# Altium PCB PCB1.PcbDoc (part 3 of 3)
Units mil, origin at the board's own origin, x right, y up, seen from the top; angles counter-clockwise.
Board outline 3150.03 x 1875.03 mil, 2 copper layers (Top Layer, Bottom Layer); 72 components, 86 nets, 315 pads, 165 vias.
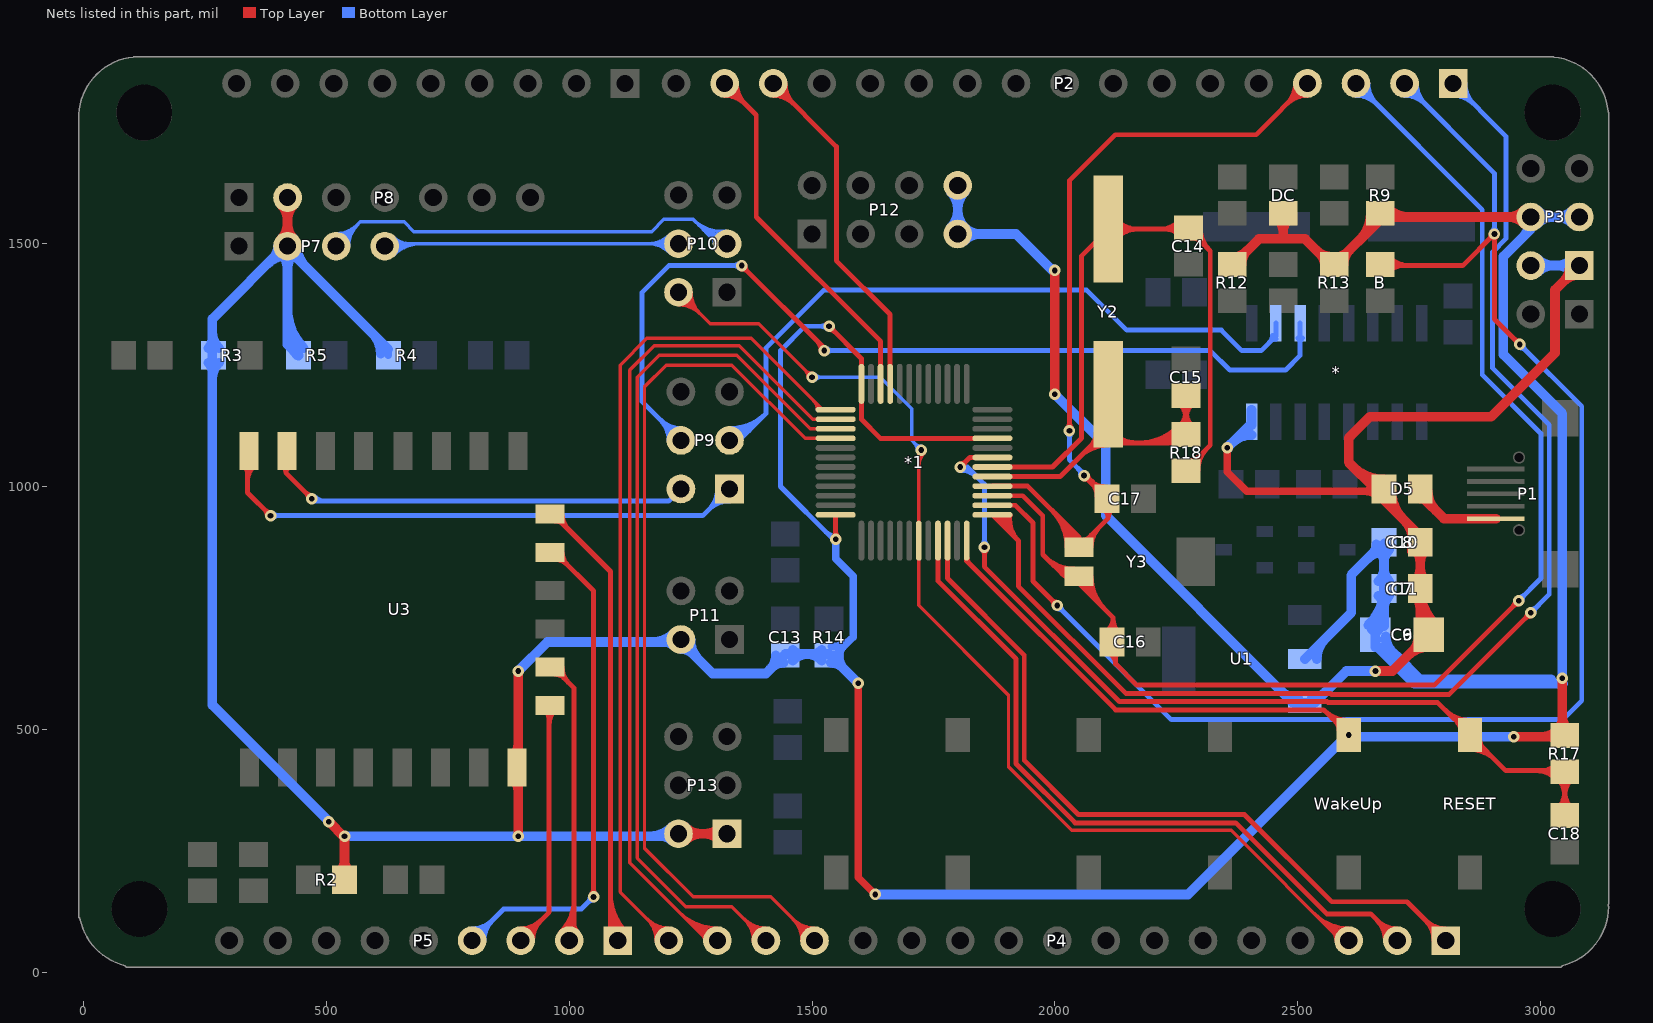
[diagram p3: the nets of this part, all layers, seen from the top]

## Via types
v1: diameter 23.62, hole 11.81, Top Layer to Bottom Layer, tented both sides, 165 vias

## Nets (pads, with @x,y where several pads share a name; then routed paths per layer and width w, separated by ;. In a path a pad name is that pad's centre, name@x,y a point inside that pad or via, vN(x,y) a via of type N, cw(c..) or ccw(c..) an arc to the next point about the centre after c; other vN are vias at no path point) (continued)
PB7: *1.43 P4.3 P10.2 | length 2815.2
  Top Layer w7: P10.2@1225,1373.97 cw(c1225,1311.14) 1269.43,1355.57 cw(c1313.86,1400) P10.2@1251.03,1400 ; P10.2@1225,1380.97 cw(c1225,1335.04) 1257.48,1367.52 cw(c1289.96,1400) P10.2@1244.03,1400 ; P10.2@1225,1400 1290,1335 1390,1335 v1(1500,1225) ; v1@1491.69,1225 ccw(c1471.62,1225) 1485.81,1239.19 ccw(c1500,1253.38) v1@1500,1233.31 ; 1720,1042.86 cw(c1757.14,1042.86) v1@1730.88,1069.12 ; 1720,1059.76 cw(c1740.24,1059.76) v1@1725.93,1074.07 ; v1(1725,1075) 1720,1070 1720,945.32 1719.84,945.16 *1.43@1719.84,888.58 1719.84,755.16 1904.5,570.5 1904.5,422.62 2035.12,292 2363,292 2590,65 P4.3@2605,65 ; 2534.96,120.04 ccw(c2605,190.08) P4.3@2605,91.03 ; 2546.91,108.09 ccw(c2605,166.18) P4.3@2605,84.03 ; 2558.86,96.14 ccw(c2605,142.28) P4.3@2605,77.03 ; 2570.81,84.19 ccw(c2605,118.38) P4.3@2605,70.03 ; 2571.17,83.83 cw(c2552.35,65) P4.3@2578.97,65
  Bottom Layer w7: v1(1500,1225) 1640,1225 1705,1160 1705,1095 v1(1725,1075) ; v1@1505.88,1219.12 cw(c1520.06,1204.94) 1520.06,1225 cw(c1520.06,1245.06) v1@1505.88,1230.88 ; v1@1716.69,1075 ccw(c1696.62,1075) 1710.81,1089.19 ccw(c1725,1103.38) v1@1725,1083.31
PB8: *1.45 P4.2 | length 1610
  Top Layer w10: *1.45@1759.21,888.58 1759.21,805.79 1920,645 1920,429.04 2041.54,307.5 2372.5,307.5 2560,120 2650,120 P4.2@2705,65 ; P4.2@2680.47,65 ccw(c2621.26,65) 2663.13,106.87 ccw(c2705,148.74) P4.2@2705,89.53 ; P4.2@2690.47,65 ccw(c2655.4,65) 2680.2,89.8 ccw(c2705,114.6) P4.2@2705,79.53
PB9: *1.46 P4.1 | length 1687.8
  Top Layer w10: *1.46@1778.9,888.58 1778.9,811.1 1937,653 1937,436.08 2048.58,324.5 2390.5,324.5 2570,145 2725,145 P4.1@2805,65 ; P4.1@2780.47,65 ccw(c2721.26,65) 2763.13,106.87 ccw(c2805,148.74) P4.1@2805,89.53 ; P4.1@2790.47,65 ccw(c2755.4,65) 2780.2,89.8 ccw(c2805,114.6) P4.1@2805,79.53
PB10: *1.21 P2.15 | length 866.4
  Top Layer w10: P2.15@1420,1805.47 cw(c1420,1746.26) 1461.87,1788.13 cw(c1503.74,1830) P2.15@1444.53,1830 ; P2.15@1420,1815.47 cw(c1420,1780.4) 1444.8,1805.2 cw(c1469.6,1830) P2.15@1434.53,1830 ; P2.15@1420,1830 1550,1700 1550,1465 1660.79,1354.21 *1.21@1660.79,1211.42
PB11: *1.22 P2.16 | length 899.7
  Top Layer w10: P2.16@1320,1805.47 cw(c1320,1746.26) 1361.87,1788.13 cw(c1403.74,1830) P2.16@1344.53,1830 ; P2.16@1320,1815.47 cw(c1320,1780.4) 1344.8,1805.2 cw(c1369.6,1830) P2.16@1334.53,1830 ; P2.16@1320,1830 1385,1765 1385,1555 1641.1,1298.9 *1.22@1641.1,1211.42
PB12: *1.25 P4.17 | length 1952.8
  Top Layer w7: P4.17@1178.97,65 ccw(c1116.14,65) 1160.57,109.43 ccw(c1205,153.86) P4.17@1205,91.03 ; P4.17@1185.97,65 ccw(c1140.04,65) 1172.52,97.48 ccw(c1205,129.96) P4.17@1205,84.03 ; P4.17@1205,65 1105,165 1105,1250 1160,1305 1375,1305 1521.73,1158.27 *1.25@1548.58,1158.27 ; 1502.97,1177.03 cw(c1484.22,1158.27) *1.25@1510.74,1158.27 ; 1514.92,1165.08 cw(c1508.12,1158.27) *1.25@1517.74,1158.27
PB13: *1.26 P4.16 | length 2083.4
  Top Layer w7: 1226.43,123.57 ccw(c1305,202.15) P4.16@1305,91.03 ; 1238.38,111.62 ccw(c1305,178.25) P4.16@1305,84.03 ; 1250.33,99.67 ccw(c1305,154.35) P4.16@1305,77.03 ; 1262.28,87.72 ccw(c1305,130.45) P4.16@1305,70.03 ; 1274.23,75.77 ccw(c1305,106.55) P4.16@1305,63.03 ; 1274.71,75.29 cw(c1264.42,65) P4.16@1278.97,65 ; P4.16@1305,65 1285,65 1125,225 1125,1240 1175,1290 1350,1290 1501.42,1138.58 *1.26@1548.58,1138.58
PB14: *1.27 P4.15 | length 1986.1
  Top Layer w7: P4.15@1378.97,65 ccw(c1316.14,65) 1360.57,109.43 ccw(c1405,153.86) P4.15@1405,91.03 ; P4.15@1385.97,65 ccw(c1340.04,65) 1372.52,97.48 ccw(c1405,129.96) P4.15@1405,84.03 ; P4.15@1405,65 1335,135 1240,135 1140,235 1140,1225 1185,1270 1345,1270 1496.1,1118.9 *1.27@1548.58,1118.9
PB15: *1.28 P4.14 | length 2024.2
  Top Layer w7: P4.14@1478.97,65 ccw(c1416.14,65) 1460.57,109.43 ccw(c1505,153.86) P4.14@1505,91.03 ; P4.14@1485.97,65 ccw(c1440.04,65) 1472.52,97.48 ccw(c1505,129.96) P4.14@1505,84.03 ; P4.14@1505,65 1415,155 1255,155 1155,255 1155,1205 1200,1250 1335,1250 1485.79,1099.21 *1.28@1548.58,1099.21
PC13: *1.2 B.2 P2.2 | length 3610.5
  Top Layer w10: *1.2@1871.42,961.42 1918.58,961.42 1955,925 1955,805 v1(2005,755) ; v1@1998.19,755 ccw(c1981.75,755) 1993.37,766.63 ccw(c2005,778.25) v1@2005,761.81 ; B.2@2660,1455 2840,1455 v1(2905,1520) 2905,1345 v1(2957.5,1292.5) ; B.2@2681.43,1464.89 ccw(c2705.3,1488.77) 2705.3,1455 ; B.2@2688.5,1442.84 cw(c2717.85,1413.49) 2717.85,1455 ; B.2@2688.5,1471.96 ccw(c2729.44,1512.91) 2729.44,1455 ; v1@2898.19,1520 cw(c2881.75,1520) 2893.37,1508.37 cw(c2905,1496.75) v1@2905,1513.19 ; v1@2900.18,1515.18 cw(c2888.56,1503.56) 2905,1503.56 cw(c2921.44,1503.56) v1@2909.82,1515.18 ; v1@2950.69,1292.5 ccw(c2934.25,1292.5) 2945.87,1304.13 ccw(c2957.5,1315.75) v1@2957.5,1299.31
  Bottom Layer w10: v1@2005,748.19 cw(c2005,731.75) 2016.63,743.37 cw(c2028.25,755) v1@2011.81,755 ; v1(2005,755) 2240,520 3046,520 3085,559 3085,1165 v1(2957.5,1292.5) ; P2.2@2720,1805.47 cw(c2720,1746.26) 2761.87,1788.13 cw(c2803.74,1830) P2.2@2744.53,1830 ; P2.2@2720,1815.47 cw(c2720,1780.4) 2744.8,1805.2 cw(c2769.6,1830) P2.2@2734.53,1830 ; P2.2@2720,1830 2905,1645 v1(2905,1520) ; v1@2900.18,1524.82 ccw(c2888.56,1536.44) 2905,1536.44 ccw(c2921.44,1536.44) v1@2909.82,1524.82 ; v1@2957.5,1285.69 cw(c2957.5,1269.25) 2969.13,1280.87 cw(c2980.75,1292.5) v1@2964.31,1292.5
PC14: *1.3 C16.2 P2.3 Y3.1 | length 3373.9
  Top Layer w10: *1.3@1871.42,981.1 1933.9,981.1 1975,940 1975,860 2015,820 ; 1980.25,854.75 ccw(c2040,914.5) Y3.1@2040,830 ; 1997.32,837.68 ccw(c2040,880.36) Y3.1@2040,820 ; 2014.39,820.61 ccw(c2040,846.21) Y3.1@2040,810 ; 2015.86,820 ccw(c2015.86,839.14) Y3.1@2029.39,825.61 ; Y3.1@2025.37,811.71 ccw(c2015,809.38) 2015,820 ; Y3.1@2050,815 2050,800 2117.5,732.5 ; Y3.1@2055,815 ccw(c2103.28,815) 2069.14,780.86 ; Y3.1@2060,820 2015,820 ; Y3.1@2065,815 ccw(c2137.43,815) 2086.21,763.79 ; Y3.1@2075,815 ccw(c2171.57,815) 2103.28,746.72 ; C16.2@2105.22,700.39 ccw(c2082.96,730) 2120,730 C16.2@2120,680 ; C16.2@2109.79,657.01 cw(c2100.5,634.34) 2125,634.34 ; C16.2@2111.23,692.4 ccw(c2098.02,709.96) 2120,709.96 ; C16.2@2113.58,666.26 cw(c2106.61,649.24) 2125,649.24 ; 2120,727.85 ccw(c2161.51,727.85) C16.2@2132.16,698.5 ; 2125,644.22 cw(c2149.44,644.22) C16.2@2132.16,661.5 ; C16.2@2125,685 2125,635 2169,591 2781,591 v1(2955,765) ; v1@2948.19,765 cw(c2931.75,765) 2943.37,753.37 cw(c2955,741.75) v1@2955,758.19
  Bottom Layer w10: P2.3@2620,1805.47 cw(c2620,1746.26) 2661.87,1788.13 cw(c2703.74,1830) P2.3@2644.53,1830 ; P2.3@2620,1815.47 cw(c2620,1780.4) 2644.8,1805.2 cw(c2669.6,1830) P2.3@2634.53,1830 ; P2.3@2620,1830 2880,1570 2880,1230 3001,1109 3001,811 v1(2955,765) ; v1@2955,771.81 ccw(c2955,788.25) 2966.63,776.63 ccw(c2978.25,765) v1@2961.81,765
PC15: *1.4 C17.2 P2.4 Y3.2 | length 2359.6
  Top Layer w10: *1.4@1871.42,1000.79 1944.21,1000.79 2050,895 Y3.2@2050,875 2110,935 C17.2@2110,975 ; 1993.18,951.82 cw(c1916.36,875) Y3.2@2025,875 ; 2010.25,934.75 cw(c1950.5,875) Y3.2@2035,875 ; v1@2025.18,1119.82 ccw(c2013.56,1131.44) 2030,1131.44 ccw(c2046.44,1131.44) v1@2034.82,1119.82 ; 2027.32,917.68 cw(c1984.64,875) Y3.2@2045,875 ; v1(2030,1115) 2030,1630 2124.5,1724.5 2414.5,1724.5 P2.4@2520,1830 ; 2044.39,900.61 cw(c2018.79,875) Y3.2@2055,875 ; Y3.2@2060,890 ccw(c2060,902.07) Y3.2@2068.54,893.54 ; v1@2060,1015.79 cw(c2060,999.34) 2071.63,1010.97 cw(c2083.25,1022.6) v1@2066.81,1022.6 ; v1(2060,1022.6) C17.2@2107.6,975 ; Y3.2@2065,875 cw(c2101.21,875) 2075.61,900.61 ; v1@2065.73,1016.87 ccw(c2107.6,1058.74) C17.2@2107.6,999.53 ; v1@2066.58,1024.36 ccw(c2089.38,1030.47) 2077.57,1010.03 ; Y3.2@2075,875 cw(c2135.36,875) 2092.68,917.68 ; 2075.23,1007.37 cw(c2046.8,978.94) C17.2@2087.01,978.94 ; C17.2@2082.8,999.8 ccw(c2107.6,1024.6) C17.2@2107.6,989.53 ; C17.2@2098.87,952.41 cw(c2090.69,934.92) 2110,934.92 cw(c2134.41,934.92) C17.2@2119.87,954.53 ; P2.4@2495.47,1830 cw(c2436.26,1830) 2478.13,1788.13 cw(c2520,1746.26) P2.4@2520,1805.47 ; P2.4@2505.47,1830 cw(c2470.4,1830) 2495.2,1805.2 cw(c2520,1780.4) P2.4@2520,1815.47
  Bottom Layer w10: v1@2025.18,1110.18 cw(c2013.56,1098.56) 2030,1098.56 cw(c2046.44,1098.56) v1@2034.82,1110.18 ; v1(2030,1115) 2030,1055 v1@2061.2,1023.8 ; 2046.67,1038.33 cw(c2030.95,1022.6) v1@2053.19,1022.6 ; 2052.47,1032.53 ccw(c2060,1040.05) v1@2060,1029.41
PD0/OSCIN: *1.5 C15.2 R18.2 Y2.2 | length 1290.3
  Top Layer w10: *1.5@1871.42,1020.47 2010.47,1020.47 2099.7,1109.7 Y2.2@2099.7,1174.7 ; 2050.25,1060.25 cw(c2110,1000.5) Y2.2@2110,1085 ; 2067.32,1077.32 cw(c2110,1034.64) Y2.2@2110,1095 ; 2074.39,1084.39 ccw(c2048.79,1110) Y2.2@2085,1110 ; Y2.2@2092.5,1167.5 Y2.2@2099.7,1174.7 ; Y2.2@2099.7,1175 Y2.2@2099.7,1174.7 ; Y2.2@2106.46,1106.46 ccw(c2146.21,1146.21) 2146.21,1090 ; Y2.2@2110,1150 2110,1115 2135,1090 2270,1090 R18.2@2270,1107.4 C15.2@2270,1185 ; Y2.2@2110,1185 Y2.2@2099.7,1174.7 ; Y2.2@2113.54,1113.54 ccw(c2170.36,1170.36) 2170.36,1090 ; 2174.34,1090 ccw(c2174.34,1199.12) R18.2@2251.5,1121.96 ; 2198.48,1090 ccw(c2198.48,1174.98) R18.2@2258.57,1114.89 ; 2222.63,1090 ccw(c2222.63,1150.84) R18.2@2265.65,1107.82 ; R18.2@2246.77,1090 ccw(c2246.77,1126.7) R18.2@2272.72,1100.75 ; R18.2@2255.44,1121.96 ccw(c2220.29,1157.11) 2270,1157.11 ccw(c2319.71,1157.11) R18.2@2284.56,1121.96 ; C15.2@2255.44,1173.04 cw(c2220.29,1137.89) 2270,1137.89 cw(c2319.71,1137.89) C15.2@2284.56,1173.04
PD1/OSCOUT: *1.6 C14.2 R18.1 Y2.1 | length 1837.2
  Top Layer w10: *1.6@1871.42,1040.16 1995.16,1040.16 2055,1100 2055,1475 Y2.1@2110,1530 2275,1530 2320,1485 2320,1085 R18.1@2270,1035 ; Y2.1@2120.61,1519.39 cw(c2146.21,1493.79) 2146.21,1530 cw(c2146.21,1566.21) Y2.1@2120.61,1540.61 ; Y2.1@2127.68,1512.32 cw(c2170.36,1469.64) 2170.36,1530 cw(c2170.36,1590.36) Y2.1@2127.68,1547.68 ; 2215.56,1530 ccw(c2215.56,1587.91) C14.2@2256.5,1546.96 ; 2227.15,1530 cw(c2227.15,1488.49) C14.2@2256.5,1517.84 ; 2239.7,1530 ccw(c2239.7,1563.77) C14.2@2263.57,1539.89 ; R18.1@2273.94,1053.19 ccw(c2273.94,1087.6) 2298.27,1063.27 ; C14.2@2278.94,1511.81 cw(c2278.94,1477.4) 2303.27,1501.73 ; R18.1@2284.53,1032.6 cw(c2325.4,1032.6) 2296.5,1061.5 ; C14.2@2289.53,1532.4 ccw(c2330.4,1532.4) 2301.5,1503.5 ; R18.1@2294.53,1032.6 cw(c2359.54,1032.6) 2313.57,1078.57 ; C14.2@2299.53,1532.4 ccw(c2364.54,1532.4) 2318.57,1486.43
RESET: *1.7 C18.2 R17.2 RESET.1 | length 2425
  Top Layer w10: v1(1805,1040) 1824.84,1059.84 *1.7@1871.42,1059.84 ; v1@1805,1046.81 ccw(c1805,1063.25) 1816.63,1051.63 ccw(c1828.25,1040) v1@1811.81,1040 ; v1@1850.18,870.18 cw(c1838.56,858.56) 1855,858.56 cw(c1871.44,858.56) v1@1859.82,870.18 ; v1(1855,875) 1855,835 2133,557 2560.51,557 2562.51,555 2788.46,555 RESET.1@2855,488.46 2928.46,415 3050,415 C18.2@3050,320 ; 2803.79,539.68 ccw(c2855,590.89) RESET.1@2855,518.46 ; 2820.86,522.61 ccw(c2855,556.75) RESET.1@2855,508.46 ; 2827.93,515.54 cw(c2810.86,498.46) RESET.1@2835,498.46 ; RESET.1@2855,458.46 cw(c2855,386.04) 2906.21,437.25 ; RESET.1@2855,468.46 cw(c2855,420.18) 2889.14,454.32 ; RESET.1@2875,478.46 ccw(c2899.14,478.46) 2882.07,461.39 ; 2990.56,415 cw(c2990.56,357.09) R17.2@3031.5,398.04 ; 3002.15,415 ccw(c3002.15,456.51) R17.2@3031.5,427.16 ; 3014.7,415 cw(c3014.7,381.23) R17.2@3038.57,405.11 ; C18.2@3035.44,336.96 ccw(c3000.29,372.11) 3050,372.11 ccw(c3099.71,372.11) C18.2@3064.56,336.96 ; R17.2@3035.44,398.04 cw(c3000.29,362.89) 3050,362.89 cw(c3099.71,362.89) R17.2@3064.56,398.04
  Bottom Layer w10: v1@1805,1033.19 cw(c1805,980.53) 1842.23,1017.77 ; v1(1805,1040) 1820,1040 ; v1@1805,1043.19 cw(c1805,1014.67) 1825.16,1034.84 ; v1@1810.13,1035.52 cw(c1820,1026.89) 1820,1040 ; v1@1810.13,1044.48 ccw(c1820,1053.11) 1820,1040 ; v1@1850.18,879.82 ccw(c1838.56,891.44) 1855,891.44 ccw(c1871.44,891.44) v1@1859.82,879.82 ; v1(1855,875) 1855,1005 1820,1040
RXD0: P9.2 U3.21 | length 948.2
  Top Layer w10: U3.21@409.96,1041.49 cw(c400.13,1028.4) 416.5,1028.4 cw(c428.49,1028.4) U3.21@424.12,1039.56 ; U3.21@416.5,1049 416.5,1028.5 v1(470,975) ; v1@463.19,975 ccw(c446.75,975) 458.37,986.63 ccw(c470,998.25) v1@470,981.81
  Bottom Layer w10: v1@470,970 1205,970 P9.2@1230,995 ; v1@474.82,979.82 ccw(c498.51,1003.51) 498.51,970
RXD_U: *.3 P9.4 | length 2152
  Top Layer w10: v1@1355,1448.19 cw(c1355,1431.75) 1366.63,1443.37 cw(c1378.25,1455) v1@1361.81,1455 ; v1(1355,1455) v1@1522.5,1287.5 ; 1509.84,1300.16 cw(c1489.67,1280) v1@1518.19,1280
  Bottom Layer w10: P9.4@1205.47,1095 ccw(c1146.26,1095) 1188.13,1136.87 ccw(c1230,1178.74) P9.4@1230,1119.53 ; P9.4@1215.47,1095 ccw(c1180.4,1095) 1205.2,1119.8 ccw(c1230,1144.6) P9.4@1230,1109.53 ; P9.4@1230,1095 1150,1175 1150,1400 1205,1455 v1(1355,1455) ; v1@1350.18,1450.18 ccw(c1338.56,1438.56) 1338.56,1455 ccw(c1338.56,1471.44) v1@1350.18,1459.82 ; v1(1525,1280) 2320,1280 2360,1240 2475,1240 2505,1270 *.3@2505,1336.38 ; v1@1529.82,1275.18 cw(c1541.44,1263.56) 1541.44,1280 cw(c1541.44,1296.44) v1@1529.82,1284.82 ; *.3@2500.18,1305.97 cw(c2488.56,1294.34) 2505,1294.34 cw(c2521.44,1294.34) *.3@2509.82,1305.97
SCL: P7.3 P10.3 | length 1279
  Bottom Layer w7: P7.3@520,1495 570,1545 660,1545 680,1525 1170,1525 1195,1550 1255,1550 ; P7.3@520,1514.03 ccw(c520,1559.96) 552.48,1527.48 ccw(c584.96,1495) P7.3@539.03,1495 ; P7.3@520,1521.03 ccw(c520,1583.86) 564.43,1539.43 ccw(c608.86,1495) P7.3@546.03,1495 ; 1265.46,1539.54 ccw(c1316.05,1590.14) P10.3@1323.12,1518.93 ; 1275.91,1529.09 ccw(c1317.94,1571.12) P10.3@1323.81,1511.97 ; 1286.37,1518.63 ccw(c1319.83,1552.09) P10.3@1324.5,1505 ; 1294.71,1510.29 cw(c1284.42,1500) P10.3@1298.97,1500 ; P10.3@1322.43,1525.9 cw(c1314.17,1609.16) 1255,1550 ; P10.3@1325,1500 1305,1500 1255,1550
SDA: P7.4 P10.4 | length 985
  Bottom Layer w7: P7.4@620,1495 625,1500 P10.4@1225,1500 ; P7.4@628.5,1486.5 cw(c661.11,1453.89) 661.11,1500 ; P7.4@633.45,1481.55 cw(c678.01,1436.99) 678.01,1500 ; P7.4@633.45,1508.45 ccw(c653.87,1528.87) 653.87,1500 ; P7.4@638.4,1476.6 cw(c694.91,1420.09) 694.91,1500 ; P7.4@638.4,1513.4 ccw(c670.76,1545.76) 670.76,1500 ; P10.4@1206.6,1481.6 ccw(c1162.16,1437.16) 1162.16,1500 ccw(c1162.16,1562.84) P10.4@1206.6,1518.4 ; P10.4@1211.55,1486.55 ccw(c1179.06,1454.06) 1179.06,1500 ccw(c1179.06,1545.94) P10.4@1211.55,1513.45
SPI_CLK: P5.1 U3.14 | length 1198.2
  Top Layer w10: U3.14@958.5,937.3 972.7,937.3 1085,825 1085,80 P5.1@1100,65 ; U3.14@970.82,929.12 cw(c970.82,904.82) 988,922 ; U3.14@985.5,943.8 ccw(c1032.1,943.8) 999.15,910.85 ; 1085,112.14 ccw(c1147.14,112.14) P5.1@1103.2,68.2 ; 1085,136.29 ccw(c1171.29,136.29) P5.1@1110.27,75.27 ; 1085,160.43 ccw(c1195.43,160.43) P5.1@1117.34,82.34
SPI_INT: P5.4 U3.13 | length 1294.4
  Top Layer w10: U3.13@958.5,857.8 977.2,857.8 1050,785 v1(1050,155) ; U3.13@970.82,849.62 cw(c970.82,814.45) 995.68,839.32 ; U3.13@985.5,864.3 ccw(c1021.24,864.3) 995.97,839.03 ; v1@1045.18,159.82 ccw(c1033.56,171.44) 1050,171.44 ccw(c1066.44,171.44) v1@1054.82,159.82
  Bottom Layer w10: P5.4@800,65 865,130 1025,130 v1(1050,155) ; P5.4@800,79.53 ccw(c800,114.6) 824.8,89.8 ccw(c849.6,65) P5.4@814.53,65 ; P5.4@800,89.53 ccw(c800,148.74) 841.87,106.87 ccw(c883.74,65) P5.4@824.53,65 ; v1@1043.19,155 cw(c1026.75,155) 1038.37,143.37 cw(c1050,131.75) v1@1050,148.19
SPI_MISO: P5.2 U3.10 | length 829.3
  Top Layer w10: U3.10@958.5,621.7 973.3,621.7 1010,585 1010,75 P5.2@1000,65 ; U3.10@970.82,613.52 cw(c970.82,587.76) 989.03,605.97 ; P5.2@982.66,82.34 ccw(c916.64,148.36) 1010,148.36 ; U3.10@985.5,628.2 ccw(c1030.65,628.2) 998.72,596.28 ; P5.2@989.73,75.27 ccw(c940.79,124.21) 1010,124.21 ; P5.2@996.8,68.2 ccw(c964.93,100.07) 1010,100.07 ccw(c1035.07,100.07) P5.2@1017.34,82.34
SPI_MOSI: P5.3 U3.9 | length 713.4
  Top Layer w10: P5.3@900,65 958.5,123.5 958.5,547.5 U3.9@960.5,549.5 ; P5.3@900,79.53 ccw(c900,114.6) 924.8,89.8 ccw(c949.6,65) P5.3@914.53,65 ; P5.3@900,89.53 ccw(c900,148.74) 941.87,106.87 ccw(c983.74,65) P5.3@924.53,65 ; U3.9@950.12,539.12 cw(c929.88,518.88) 958.5,518.88 ; 958.5,509.22 cw(c1000.78,509.22) U3.9@970.88,539.12
TXD0: P9.1 U3.22 | length 1351.9
  Top Layer w10: U3.22@330.44,1042.85 cw(c313.38,1025.8) 337.5,1025.8 ; 337.5,1009.77 cw(c384.28,1009.77) U3.22@351.2,1042.85 ; U3.22@337.5,1049 337.5,987.5 v1(385,940) ; v1@378.19,940 ccw(c361.75,940) 373.37,951.63 ccw(c385,963.25) v1@385,946.81
  Bottom Layer w10: v1(385,940) 1275,940 P9.1@1330,995 ; v1@389.82,935.18 cw(c401.44,923.56) 401.44,940 cw(c401.44,956.44) v1@389.82,944.82 ; P9.1@1305.47,995 cw(c1246.26,995) 1288.13,953.13 cw(c1330,911.26) P9.1@1330,970.47 ; P9.1@1315.47,995 cw(c1280.4,995) 1305.2,970.2 cw(c1330,945.4) P9.1@1330,980.47
TXD_U: *.2 P9.3 | length 1642
  Bottom Layer w10: P9.3@1330,1095 1350,1095 1405,1150 ; P9.3@1330.05,1099.53 ccw(c1330.68,1157.08) 1371.38,1116.38 ; P9.3@1330.16,1109.53 ccw(c1331.05,1190.33) 1388.19,1133.19 ; P9.3@1330.27,1119.53 ccw(c1331.42,1223.58) 1405,1150 ; 2442.82,1297.82 ccw(c2429.84,1310.79) *.2@2448.19,1310.79 ; *.2@2444.72,1299.72 cw(c2455,1289.43) *.2@2455,1303.98 ; *.2@2455,1336.38 2455,1310 2425,1280 2385,1280 2343,1322 2148,1322 2065,1405 1525,1405 1405,1285 1405,1150
VBAT: *1.1 P2.1 | length 2937.9
  Top Layer w10: *1.1@1871.42,941.73 1925,888.15 ; *1.1@1878.22,939.66 ccw(c1897.25,943.29) 1883.55,929.6 ; *1.1@1887.58,940.04 ccw(c1921.02,939.43) 1897.37,915.78 ; *1.1@1897.45,939.78 ccw(c1944.8,935.58) 1911.18,901.97 ; *1.1@1907.74,941.59 ccw(c1968.57,931.72) 1925,888.15 ; v1@2973.19,740 cw(c2956.75,740) 2968.37,728.37 cw(c2980,716.75) v1@2980,733.19 ; v1(2980,740) 2812,572 2569.55,572 2567.55,574 2146,574 1925,795 1925,888.15
  Bottom Layer w10: P2.1@2820,1805.47 cw(c2820,1746.26) 2861.87,1788.13 cw(c2903.74,1830) P2.1@2844.53,1830 ; P2.1@2820,1815.47 cw(c2820,1780.4) 2844.8,1805.2 cw(c2869.6,1830) P2.1@2834.53,1830 ; P2.1@2820,1830 2928.81,1721.19 2928.81,1510.14 2901.47,1482.8 2901.47,1243.53 3018,1127 3018,778 v1@2977.5,737.5 ; v1@2980,746.81 ccw(c2980,763.25) 2991.63,751.63 ccw(c3003.25,740) v1@2986.81,740
VCC_3V3: *1.9 *1.24 *1.36 *1.48 C9.1 C10.1 C11.1 C13.2 DC.1 P3.3 P3.4 P7.2 P8.2 P11.2 P13.1 P13.2 R2.1 R3.1 R4.1 R5.1 R9.2 R12.1 R13.1 R14.1 R17.1 U1.2 U3.8 WakeUp.1 | length 14812.5
  Top Layer w10: v1@1530,1335 v1(1535,1330) 1601.73,1263.27 *1.24@1601.73,1211.42 1601.92,1211.23 1601.92,1138.08 1640.79,1099.21 *1.9@1871.42,1099.21 ; v1@1535,1323.19 cw(c1535,1306.75) 1546.63,1318.37 cw(c1558.25,1330) v1@1541.81,1330 ; v1@1543.77,896.23 ccw(c1532.14,907.86) 1548.58,907.86 ccw(c1565.03,907.86) v1@1553.4,896.23 ; v1(1548.58,891.42) *1.36@1548.58,941.73 ; *1.48@1818.27,888.58 1818.27,846.73 2125,540 2553.46,540 v1(2605,488.46) ; *1.48@1819.17,853.15 ccw(c1836.85,853.15) 1824.35,840.65 ; 2553.79,539.68 ccw(c2605,590.89) WakeUp.1@2605,518.46 ; 2570.86,522.61 ccw(c2605,556.75) WakeUp.1@2605,508.46 ; 2577.93,515.54 cw(c2560.86,498.46) WakeUp.1@2585,498.46 ; WakeUp.1@2598.19,488.46 ccw(c2581.75,488.46) 2593.37,500.09 ccw(c2605,511.72) WakeUp.1@2605,495.28
  Top Layer w15: v1(1595,595) 1595,195 v1(1630,160)
  Top Layer w20: P7.2@406.19,1508.81 ccw(c372.86,1542.14) 420,1542.14 ccw(c467.14,1542.14) P7.2@433.81,1508.81 ; P8.2@406.19,1581.19 cw(c372.86,1547.86) 420,1547.86 cw(c467.14,1547.86) P8.2@433.81,1581.19 ; P7.2@420,1495 P8.2@420,1595 ; v1(505,310) v1@537.4,277.6 ; R2.1@526.38,204.96 ccw(c499.76,231.58) 537.4,231.58 ccw(c575.04,231.58) R2.1@548.43,204.96 ; R2.1@537.4,190 v1@537.4,277.6 ; v1(537.4,280) v1@537.4,277.6 ; U3.8@885.94,394.97 cw(c864.06,373.09) 895,373.09 ; U3.8@885.94,448.03 ccw(c864.06,469.91) 895,469.91 ; v1(895,280) v1(895,620) ; P13.2@1225,285 P13.1@1325,285 ; P13.2@1238.81,271.19 cw(c1272.14,237.86) 1272.14,285 cw(c1272.14,332.14) P13.2@1238.81,298.81 ; P13.1@1311.19,271.19 ccw(c1277.86,237.86) 1277.86,285 ccw(c1277.86,332.14) P13.1@1311.19,298.81 ; R12.1@2365,1455 2420,1510 2470,1510 ; R12.1@2368.94,1472.99 ccw(c2368.94,1506.92) R12.1@2392.93,1482.93 ; R12.1@2384.53,1457.4 cw(c2425.87,1457.4) 2396.64,1486.64 ; DC.1@2458.98,1551.57 cw(c2432.36,1524.96) 2470,1524.96 cw(c2507.64,1524.96) DC.1@2481.02,1551.57 ; DC.1@2470,1565 DC.1@2470,1562.6 2470,1510 ; 2538.53,1486.47 ccw(c2571.06,1518.99) R13.1@2571.06,1472.99 ; R13.1@2546.9,1478.1 cw(c2526.2,1457.4) R13.1@2555.47,1457.4 ; R13.1@2578.94,1472.99 ccw(c2578.94,1506.92) R13.1@2602.93,1482.93 ; R13.1@2594.53,1457.4 cw(c2635.87,1457.4) 2606.64,1486.64 ; 2627.76,1507.76 ccw(c2572.91,1562.6) R9.2@2650.47,1562.6 ; R9.2@2670,1562.6 R9.2@2670,1555 ; R9.2@2684.96,1573.62 ccw(c2729.92,1618.58) 2729.92,1555 ; v1(2945,485) 3050,485 3049.06,485.45 3045,487.4 v1(3045,605) ; P3.4@2966.19,1541.19 ccw(c2932.86,1507.86) 2932.86,1555 ccw(c2932.86,1602.14) P3.4@2966.19,1568.81 ; P3.4@2990,1545 P3.4@2980,1555 R9.2@2670,1555 ; 3002.63,485 ccw(c3002.63,530.84) 3035.04,498.43 ccw(c3010.99,522.47) 3045,522.47 ; 3014.22,485 cw(c3014.22,455.56) R17.1@3035.04,476.38 ; 3045,527.61 ccw(c3086.27,527.61) R17.1@3057.09,498.43 ; 2470,1510 2515,1510 2570,1455 2575,1455 2670,1550 R9.2@2670,1555
  Bottom Layer w10: v1@1525,1330 1485,1330 1435,1280 1435,1000 1543.58,891.42 v1(1548.58,891.42) ; 1528.42,906.58 ccw(c1548.58,926.74) v1@1548.58,898.23 ; v1@1530.18,1325.18 ccw(c1518.56,1313.56) 1518.56,1330 ccw(c1518.56,1346.44) v1@1530.18,1334.82
  Bottom Layer w15: P7.2@413.4,1473.98 cw(c410.59,1465) 420,1465 ; P7.2@420,1500 P7.2@420,1495 420,1485 420,1465 ; P7.2@426.6,1473.98 ccw(c429.41,1465) 420,1465 ; R4.1@627.6,1270 R4.1@627.6,1282.4 ; P11.2@1230,680 P11.2@1230,685 ; R14.1@1535,655 1550,655 1585,690 1585,815 1548.58,851.42 v1(1548.58,891.42) ; R14.1@1538.94,670.69 ccw(c1538.94,735.27) 1584.61,689.61 ; R14.1@1557.03,652.6 cw(c1579.79,652.6) R14.1@1563.69,668.69 ; v1(2605,488.46) v1@2608.46,485 ; v1@2608.05,491.51 ccw(c2623.77,507.24) 2623.77,485 ; C9.1@2649.88,705 C9.1@2659.88,695 C9.1@2677.6,712.72 ; C10.1@2662.6,870 C10.1@2677.6,885 C10.1@2682.6,880 ; C9.1@2675,685 C9.1@2682.6,685
  Bottom Layer w20: R3.1@256.57,1255.04 cw(c236.23,1234.7) 265,1234.7 ; R3.1@256.57,1284.96 ccw(c236.23,1305.3) 265,1305.3 ; 265,1222.15 cw(c311.51,1222.15) R3.1@278.62,1255.04 ; 265,1317.85 ccw(c311.51,1317.85) R3.1@278.62,1284.96 ; 378.13,1458.13 cw(c420,1416.26) 420,1475.47 cw(c420,1440.4) 444.8,1465.2 ; 390.2,1470.2 ccw(c365.4,1495) P7.2@400.47,1495 ; P7.2@406.19,1481.19 cw(c372.86,1447.86) 420,1447.86 cw(c467.14,1447.86) P7.2@433.81,1481.19 ; P7.2@412.1,1477.14 cw(c406.72,1465) 420,1465 ; 420,1317.85 ccw(c486.51,1317.85) R5.1@439.48,1270.82 ; 420,1366.13 ccw(c534.79,1366.13) R5.1@453.62,1284.96 ; P7.2@420,1485 P7.2@425,1490 ; P7.2@420,1495 P7.2@425,1490 ; P7.2@420,1500 265,1345 265,550 v1(505,310) ; P7.2@427.9,1477.14 ccw(c433.28,1465) 420,1465 ; P7.2@439.53,1495 ccw(c498.74,1495) 456.87,1453.13 ; R5.1@442.6,1270 420,1292.6 420,1465 ; v1(537.4,280) v1(895,280) 1220,280 P13.2@1225,285 ; 595,1315 cw(c553.93,1273.94) R4.1@612.01,1273.94 ; R4.1@627.6,1282.4 425,1485 P7.2@425,1490 ; v1(895,620) 955,680 1225,680 P11.2@1230,685 ; 1165.79,280 ccw(c1165.79,344.21) P13.2@1211.19,298.81 ; 1170.79,680 ccw(c1170.79,744.21) P11.2@1216.19,698.81 ; 1189.93,280 cw(c1189.93,249.93) P13.2@1211.19,271.19 ; 1194.93,680 cw(c1194.93,649.93) P11.2@1216.19,671.19 ; P11.2@1230,665.47 cw(c1230,630.4) 1254.8,655.2 ; P11.2@1230,680 1295,615 1405,615 1445,655 1535,655 v1(1595,595) ; P11.2@1249.53,685 ccw(c1308.74,685) 1266.87,643.13 ; 1413.36,623.36 ccw(c1384.13,652.6) C13.2@1425.47,652.6 ; C13.2@1417.07,627.07 cw(c1441.06,603.08) C13.2@1441.06,637.01 ; C13.2@1459.96,641.57 cw(c1492.37,609.16) 1492.37,655 ; C13.2@1459.96,663.62 ccw(c1480.78,684.44) 1480.78,655 ; 1487.63,655 cw(c1487.63,609.16) R14.1@1520.04,641.57 ; 1499.22,655 ccw(c1499.22,684.44) R14.1@1520.04,663.62 ; R14.1@1538.94,637.01 cw(c1538.94,603.08) R14.1@1562.93,627.07 ; R14.1@1554.53,652.6 ccw(c1595.87,652.6) 1566.64,623.36 ; v1(1630,160) 2274,160 2602.46,488.46 v1(2605,488.46) ; U1.2@2514.92,645 2610,740.08 2610,817.4 2662.6,870 2677.6,870 C11.1@2677.6,790 ; U1.2@2539.37,645 cw(c2598.4,645) 2556.66,686.74 ; v1@2608.46,485 v1(2945,485) ; 2644.26,851.66 cw(c2677.6,818.33) C10.1@2677.6,865.47 ; C9.1@2645.11,714.55 ccw(c2573.76,789.99) C11.1@2677.6,790 ; C10.1@2653.77,861.17 ccw(c2633.87,881.06) C10.1@2662.01,881.06 ; C9.1@2658.85,700.02 ccw(c2617.69,743.55) 2677.6,743.55 ; C9.1@2659.88,669.57 cw(c2659.88,608.17) 2703.3,651.58 2751.88,603 3022,603 ; C9.1@2659.88,695 2659.88,674.12 2740,594 v1@3047,594 ; C11.1@2666.57,775.04 cw(c2639.96,748.42) 2677.6,748.42 cw(c2715.24,748.42) C11.1@2688.62,775.04 ; C11.1@2666.57,804.96 ccw(c2639.96,831.58) 2677.6,831.58 ccw(c2715.24,831.58) C11.1@2688.62,804.96 ; C10.1@2666.57,870.04 cw(c2639.96,843.42) 2677.6,843.42 cw(c2715.24,843.42) C10.1@2688.62,870.04 ; C9.1@2677.6,712.72 C11.1@2677.6,790 ; C9.1@2681.38,691.06 ccw(c2723.77,691.06) 2693.79,661.09 ; 2963.13,1513.13 ccw(c2921.26,1555) P3.4@2980.47,1555 ; P3.4@2993.81,1541.19 cw(c3027.14,1507.86) 3027.14,1555 cw(c3027.14,1602.14) P3.4@2993.81,1568.81 ; v1(3045,605) 3045,1150 2923.47,1271.53 2923.47,1473.47 2980,1530 P3.4@2980,1555 P3.3@3080,1555 ; P3.3@3066.19,1541.19 ccw(c3032.86,1507.86) 3032.86,1555 ccw(c3032.86,1602.14) P3.3@3066.19,1568.81
VCC_5V: *.16 C6.2 C7.2 C8.2 D5.2 P3.1 P3.2 P12.4 P12.8 U1.3 | length 4807.5
  Top Layer w10: C8.2@2730,865 C8.2@2730,885
  Top Layer w15: v1(2355,1080) 2355,1030 2395,990 2672.6,990 2677.6,985 D5.2@2677.6,972.4 ; 2631.36,990 ccw(c2631.36,1037.3) D5.2@2664.81,1003.85 ; 2636.49,990 cw(c2636.49,949.95) D5.2@2664.81,978.27 ; C6.2@2752.4,712.72 C6.2@2770.12,695 ; C8.2@2752.4,885 C8.2@2752.4,897.6
  Top Layer w20: v1(2000,1190) v1(2000,1445) ; 2614.22,1040.78 ccw(c2677.6,1104.16) D5.2@2677.6,1014.53 ; 2648.36,1006.64 ccw(c2677.6,1035.87) D5.2@2677.6,994.53 ; v1(2660,620) 2695.12,620 C6.2@2770.12,695 ; D5.2@2677.6,972.4 C8.2@2752.4,897.6 ; D5.2@2677.6,995 2660,995 2605,1050 2605,1100 2648.81,1143.81 2898.81,1143.81 3030,1275 3030,1405 P3.1@3080,1455 ; D5.2@2693.19,991.06 ccw(c2775.88,991.06) 2717.41,932.59 ; 2719.66,930.34 cw(c2678.26,888.94) C8.2@2736.81,888.94 ; 2726.7,651.58 cw(c2770.12,608.17) C6.2@2770.12,669.57 ; 2736.21,661.09 ccw(c2706.23,691.06) C6.2@2748.62,691.06 ; C7.2@2741.38,775.04 cw(c2714.76,748.42) 2752.4,748.42 cw(c2790.04,748.42) C7.2@2763.43,775.04 ; C7.2@2741.38,804.96 ccw(c2714.76,831.58) 2752.4,831.58 ccw(c2790.04,831.58) C7.2@2763.43,804.96 ; C8.2@2741.38,870.04 cw(c2714.76,843.42) 2752.4,843.42 cw(c2790.04,843.42) C8.2@2763.43,870.04 ; C6.2@2752.4,712.72 C7.2@2752.4,790 ; 2752.4,743.55 ccw(c2812.31,743.55) C6.2@2771.15,700.02 ; C8.2@2752.4,885 C7.2@2752.4,790 ; C6.2@2784.89,714.55 cw(c2856.24,790) C7.2@2752.4,790 ; P3.1@3060.47,1455 cw(c3013.33,1455) 3046.66,1421.66 cw(c3080,1388.33) P3.1@3080,1435.47
  Bottom Layer w20: P12.4@1786.19,1533.81 ccw(c1752.86,1567.14) 1800,1567.14 ccw(c1847.14,1567.14) 1813.81,1533.81 ccw(c1847.14,1567.14) 1847.14,1520 ccw(c1847.14,1472.86) P12.4@1813.81,1506.19 ; P12.8@1786.19,1606.19 cw(c1752.86,1572.86) 1800,1572.86 cw(c1847.14,1572.86) P12.8@1813.81,1606.19 ; P12.8@1800,1620 P12.4@1800,1520 1920,1520 1995,1445 v1(2000,1445) ; 1988.37,1451.63 ccw(c2000,1463.25) v1@2000,1446.81 ; v1(2000,1190) 2105,1085 2105,940 2490.55,554.45 2534.45,554.45 2600,620 v1(2660,620) ; v1(2355,1080) 2405,1130 *.16@2405,1133.62 *.16@2405,1158 ; v1@2356.75,1079.53 cw(c2372.33,1075.36) 2364.26,1089.32 ; 2364.41,1089.41 cw(c2405,1048.81) *.16@2405,1106.22 ; *.16@2398.55,1123.55 cw(c2405,1117.1) *.16@2405,1126.22 ; 2464.85,580.15 ccw(c2501.14,616.45) U1.3@2501.14,565.12 ; U1.3@2528.7,565.12 ccw(c2528.7,604.75) 2556.73,576.73 ; P3.2@2985,1455 P3.1@3080,1455 ; P3.2@2993.81,1441.19 cw(c3027.14,1407.86) 3027.14,1455 cw(c3027.14,1502.14) P3.2@2993.81,1468.81 ; P3.1@3066.19,1441.19 ccw(c3032.86,1407.86) 3032.86,1455 ccw(c3032.86,1502.14) P3.1@3066.19,1468.81
VCC_USB: D5.1 P1.5 | length 224
  Top Layer w20: D5.1@2752.4,975 2757.4,980 2757.4,977.6 2801.18,933.82 P1.5@2908.15,933.82 ; D5.1@2767.99,991.06 ccw(c2826.07,991.06) 2785,950
pads on no net: *.9 *.10 *.12 *.13 *.14 P1.MH1 P1.MH2 U1.4

## Polygon pours and split planes (outlines as drawn)
GND on Bottom Layer "Top Layer-No Net" (solid, remove dead copper, pour order 8): 250,1775 3135,1775 3135,125 3130,120 3125,125 245,125
GND on Top Layer "Top Layer-No Net" (solid, remove dead copper, pour order 12): 250,1775 3125,1775 3125,125 3120,120 235,120

## Other copper
Top Layer:
  rectangle net GND: 2160,1428 2210,1483
  rectangle net GND: 318,259 382,362
  rectangle net GND: 895.49,1521 969,1664.97
  rectangle net GND: 899,1261 963,1576
  rectangle net GND: 895,1048 949,1280
  rectangle net GND: 2155,969 2220,1033
  rectangle net GND: 2172,617 2350,975
  rectangle net GND: 2195,1234 2304,1475
  rectangle net GND: 2301,1611 2394,1665
  rectangle net GND: 2916,1619 3129,1693
  rectangle net GND: 3083,764 3099,790
  rectangle net GND: 2992,202.01 3099.53,275
  rectangle net GND: 2288,425 2435,515
  region net GND: 2088.26,457.55 2130.66,505.49 2052.43,574.69 2010.03,526.74
  rectangle net GND: 2020,431 2134,514
  rectangle net GND: 2807,146 2906,266
  rectangle net GND: 262,1430 350,1660
  region net GND: 2947.67,801.14 3056.35,726.01 3129.59,831.95 3020.91,907.08
  region net GND: 3030.82,776.66 3120.43,870.55 3035.48,951.63 2945.87,857.73
  region net GND: 2982.16,1074.99 3107.93,1195.44 3071,1234 2945.24,1113.55
  rectangle net GND: 3075,1095 3105,1200
  rectangle net GND: 2985,1083.11 3097.76,1110
Bottom Layer:
  rectangle net VCC_3V3: 3019,586 3052,614
  rectangle net GND: 879,1585 967,1651
  rectangle net GND: 866,1220 955,1299
  rectangle net GND: 305,271 395,358
  region net GND: 2298.82,1404.71 2325.19,1443.39 2292.36,1465.77 2265.99,1427.09
  rectangle net GND: 2290,1368 2421,1458
  region net GND: 2155.31,1420.57 2242.36,1492.47 2197.92,1546.26 2110.88,1474.36
  rectangle net GND: 2062,1430 2164,1507
  rectangle net GND: 248,1470 349,1653
  rectangle net GND: 1189,1721 1255,1873
  rectangle net GND: 2105,1415 2165,1480
  rectangle net GND: 2370,710 2550,775
  rectangle net GND: 1575,1720 1715,1775
  rectangle net GND: 1800.49,756.3 1869.56,845.03

## Silkscreen, mask and mechanical layers (free items; w line width, h text height)
Top Overlay:
  lines w10: 2455,1415 2470,1430 2485,1415 ; 2455,1590 2470,1605 2485,1590 ; 2555,1590 2570,1605 2585,1590 ; 2655,1415 2670,1430 2685,1415
  text "TX" at 1460,1695 h60
  text "RX" at 1565,1695 h60
  text "GND" at 1650,1695 h60
  text "5V" at 1780,1695 h60
  text "GND" at 279,1660 h50
  text "3V3" at 390,1660 h50
  text "CLK" at 481,1660 h50
  text "MOSI" at 574,1660 h50
  text "RES" at 693,1660 h50
  text "DC" at 795,1660 h50
  text "CS" at 895,1660 h50
  text "UART" at 1880,1595 h70
  text "ESP" at 1055,1580 h40
  text "SPI" at 135,1570 h70
  text "IIC" at 135,1470 h70
  text "GND" at 277,1395 h50
  text "3V3" at 390,1395 h50
  text "SCL" at 493,1395 h50
  text "SDA" at 590,1395 h50
  text "STM" at 1055,1375 h40
  text "UART SWITCH" at 1180,1270 h40
  text "D+" at 2940,1235 h70
  text "D-" at 3055,1235 h70
  text "STM" at 1055,1175 h40
  text "ESP" at 1060,970 h40
  text "SWD" at 1250,875 h40
  text "SWIO" at 1019,772 h50
  text "SWCLK" at 1390,770 h50
  text "GND" at 1395,670 h50
  text "3V3" at 1061,661 h60
  text "BOOT" at 1250,565 h40
  text "GND" at 1391,473 h50
  text "GND" at 1047,470 h50
  text "BOOT1" at 1055,365 h50
  text "BOOT0" at 1390,360 h50
  text "3V3" at 1063,266 h60
  text "3V3" at 1383,265 h60
Bottom Overlay:
  text "IO16" at 340,1770 h70 r90
  text "PB1" at 1545,1770 h70 r90
  text "PB0" at 1645,1770 h70 r90
  text "PA7" at 1750,1770 h70 r90
  text "PA6" at 1845,1770 h70 r90
  text "PA5" at 1945,1770 h70 r90
  text "IO5" at 435,1765 h70 r90
  text "IO4" at 540,1765 h70 r90
  text "IO0" at 635,1765 h70 r90
  text "IO2" at 740,1765 h70 r90
  text "IO14" at 840,1765 h70 r90
  text "IO12" at 940,1765 h70 r90
  text "IO13" at 1040,1765 h70 r90
  text "IO15" at 1140,1765 h70 r90
  text "GND" at 1245,1765 h70 r90
  text "PB11" at 1345,1765 h70 r90
  text "PB10" at 1445,1765 h70 r90
  text "PA4" at 2040,1765 h70 r90
  text "PA3" at 2150,1765 h70 r90
  text "PA2" at 2245,1765 h70 r90
  text "PA1" at 2345,1765 h70 r90
  text "PA0" at 2445,1765 h70 r90
  text "PC15" at 2540,1765 h70 r90
  text "PC14" at 2650,1765 h70 r90
  text "PC13" at 2745,1765 h70 r90
  text "VBAT" at 2845,1765 h70 r90
  text "SPI_MISO" at 1025,395 h70 r90
  text "SPI_MOSI" at 920,390 h70 r90
  text "SPI_CLK" at 1125,370 h70 r90
  text "SPI_INT" at 825,365 h70 r90
  text "ADC_EX" at 330,335 h70 r90
  text "PA10" at 1830,260 h70 r90
  text "PB12" at 1230,255 h70 r90
  text "PB13" at 1330,255 h70 r90
  text "PB14" at 1435,255 h70 r90
  text "PB15" at 1530,255 h70 r90
  text "PA12" at 2030,255 h70 r90
  text "PA15" at 2130,255 h70 r90
  text "IO10" at 630,245 h70 r90
  text "PA11" at 1925,245 h70 r90
  text "ADC" at 430,225 h70 r90
  text "GND" at 525,225 h70 r90
  text "PB4" at 2325,225 h70 r90
  text "PB5" at 2425,225 h70 r90
  text "PB6" at 2530,225 h70 r90
  text "PB7" at 2630,225 h70 r90
  text "PB8" at 2730,225 h70 r90
  text "PB9" at 2825,225 h70 r90
  text "PA8" at 1630,220 h70 r90
  text "PA9" at 1730,220 h70 r90
  text "PB3" at 2230,220 h70 r90
  text "IO9" at 730,215 h70 r90
Mechanical 1:
  lines w10: -5,115 -5,1765 ; -5,135 ccw(c115,135) 115,15 ; -5,1760 cw(c115,1760) 115,1880 ; 90,15 3040,15 ; 105,1880 3025,1880 ; 3015,15 ccw(c3015,135) 3135,135 ; 3015,1880 cw(c3015,1760) 3135,1760 ; 3135,140 3135,1770

## Text inside footprints (layer, text, board x,y; h text height)
P3: Top Overlay "5V" at 2775,1425 h50; Top Overlay "3V3" at 2770,1530 h50; Top Overlay "GND" at 2770,1635 h50
P10: Top Overlay "IIC SWITCH" at 1190,1680 h40
U3: Mechanical 13 "ANTENNA AREA" at 32,436 h10 r90; Mechanical 13 "CUTOUT POLYGON" at 52,436 h10 r90